# KiCad board SimulTypeUltraFullMag.kicad_pcb (continued)
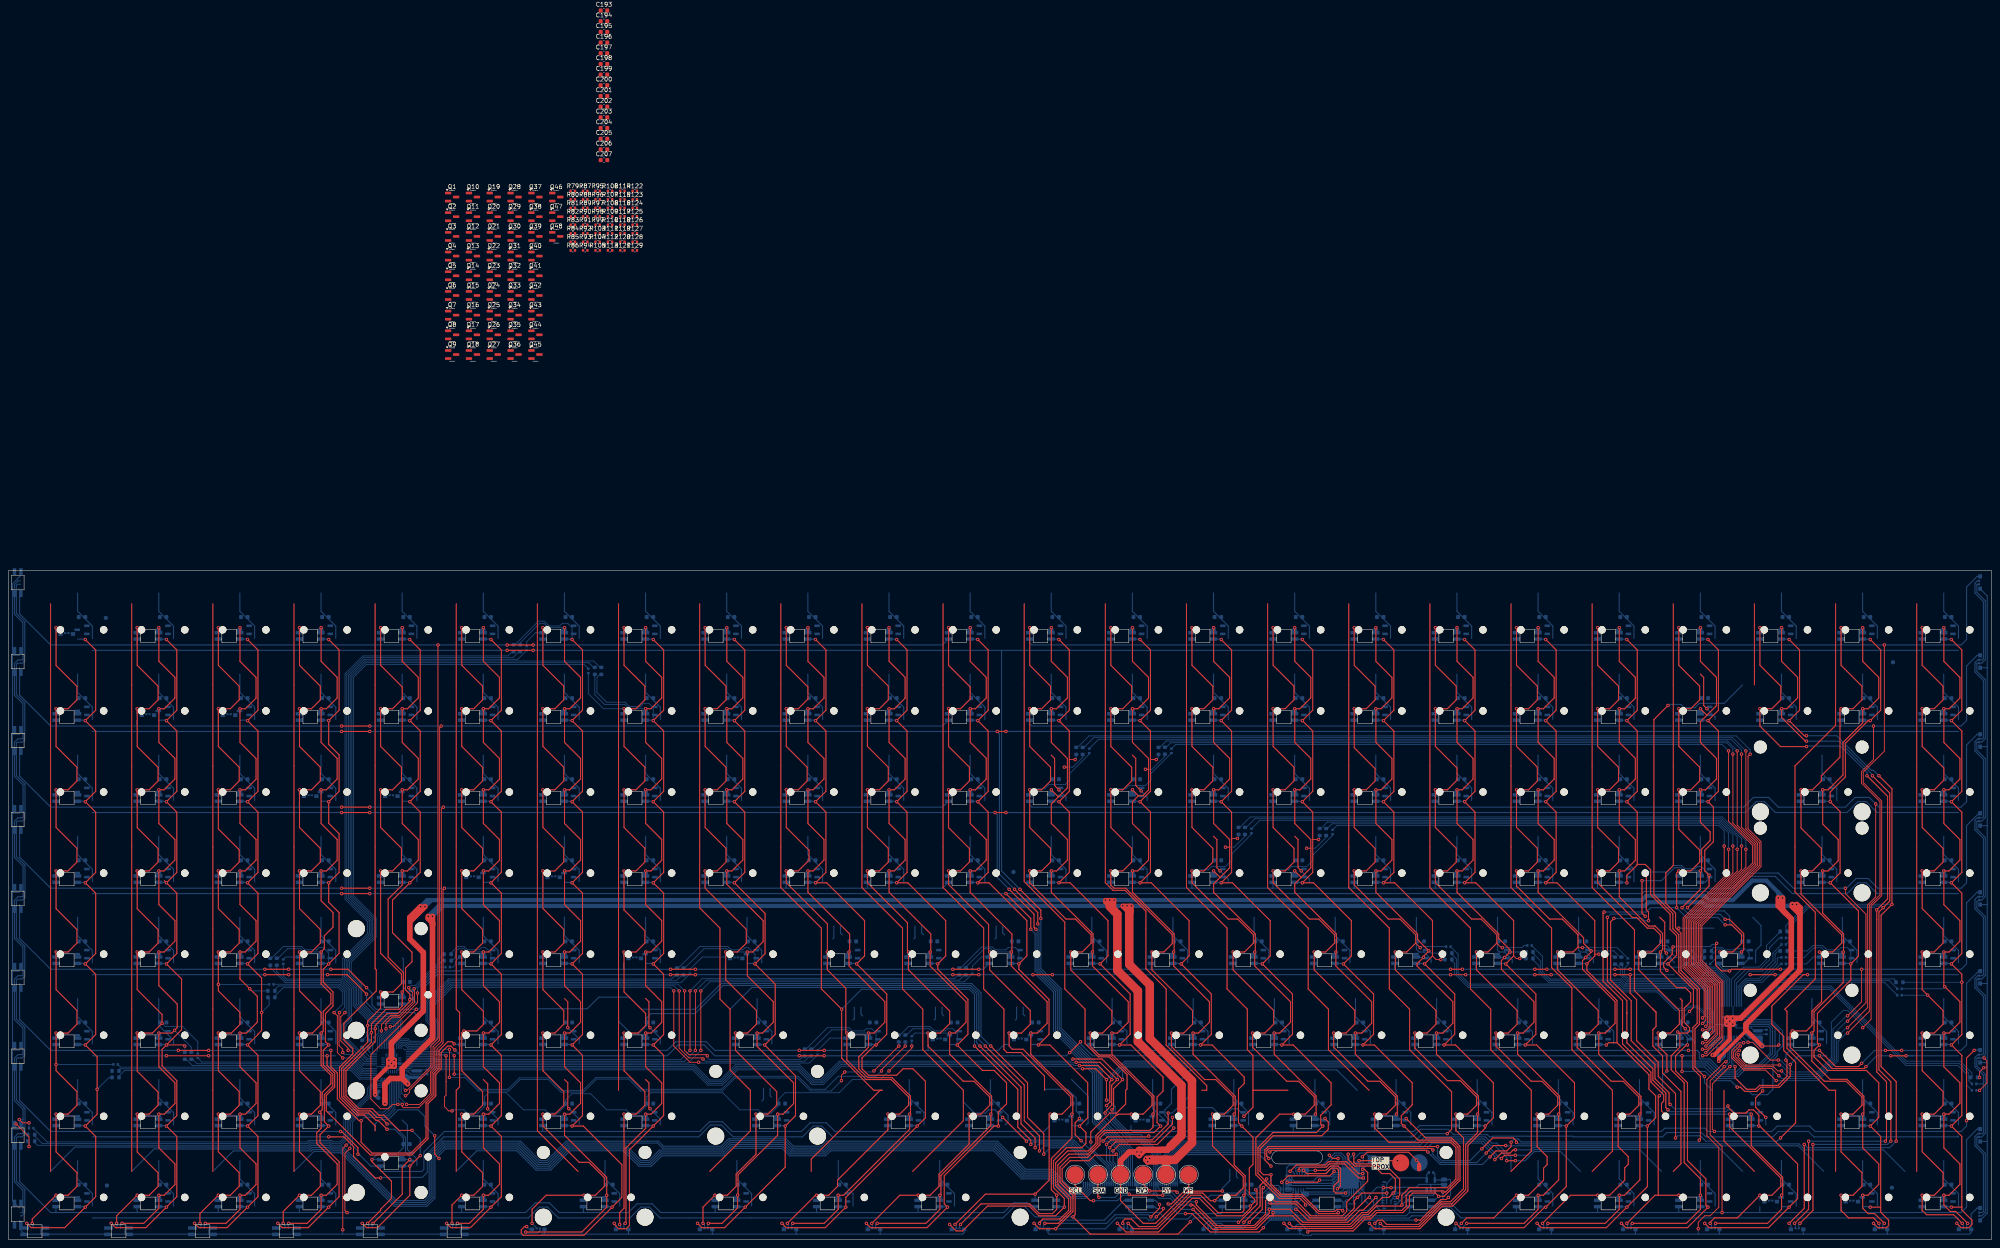
[diagram p0: board, top side]
## Routing (per net, layer and track width the routed paths; a pad name or vN(x,y) marks a point on that pad's centre or on a via; arc(x,y) is an arc through that point) (continued)
/R15c: length 216.8
  Top w0.2: v1(269.48,112.76) 268.11,112.76
  Top w0.25: v1(265.67,140.95) 268.11,138.51 268.11,124.34 v1(265.67,121.9) 268.11,119.46 268.11,105.29 v1(265.67,102.85) 268.11,100.41 268.11,86.24 v1(265.67,83.8) 268.3,83.8 277.19,74.91 277.19,66.62 v1(275.32,64.75) 282.4,57.67 282.4,48.21 v1(279.9,45.7) 282.58,45.7 290.13,38.15 290.13,36.63 288.79,35.29 288.79,27.41 v1(289.55,26.65) 292.19,24.01 292.19,17.66 291.33,16.79 291.33,10.65 292.6,9.38 292.6,8.87 v1(291.58,7.85) 291.58,7.35 289.8,5.57 283.71,5.57 279.64,9.63 277.86,9.63 269.99,1.76 262.37,1.76 v1(260.34,3.79)
  Bottom w0.2: v1(269.48,112.76) 269.99,113.26 269.99,114.28
  Bottom w0.25: 287.7,26.76 289.44,26.76 v1(289.55,26.65) ; v1(265.67,83.8) 265.56,83.91 263.88,83.91 ; v1(265.67,121.9) 265.56,122.01 263.88,122.01 ; 273.41,64.86 275.21,64.86 v1(275.32,64.75) ; 263.88,102.96 265.56,102.96 v1(265.67,102.85) ; v1(260.34,3.79) 260.86,3.27 260.86,2.38 ; v1(265.67,140.95) 265.56,141.06 263.88,141.06 ; v1(279.9,45.7) 279.78,45.81 278.17,45.81 ; v1(291.58,7.85) 290.63,7.85 290.49,7.71 290.08,7.71
/R16c: length 226.1
  Top w0.2: v1(288.53,94.21) 287.16,94.21
  Top w0.25: v1(312.2,6.29) 311.99,6.08 307.58,6.08 303.52,10.14 298.69,10.14 295.26,13.57 ; v1(288.79,4.04) 288.91,4.04 293.13,8.26 293.13,11.39 v1(292.85,11.66) ; 295.26,13.57 293.36,15.47 293.36,21.57 296.91,25.13 307.07,25.13 v1(308.6,26.65) 308.09,27.16 308.09,29.19 310.53,31.63 310.53,36.81 301.63,45.7 v1(298.95,45.7) 301.45,48.21 301.45,57.67 v1(294.37,64.75) 296.24,66.62 296.24,74.91 287.35,83.8 v1(284.72,83.8) 287.16,86.24 287.16,100.41 v1(284.72,102.85) 287.16,105.29 287.16,119.46 v1(284.72,121.9) 287.16,124.34 287.16,138.51 v1(284.72,140.95) ; 295.26,13.57 295.01,13.82 v1(295.39,14.2)
  Bottom w0.2: v1(288.53,94.21) 288.79,94.47 288.79,95.48
  Bottom w0.25: 292.46,64.86 294.26,64.86 v1(294.37,64.75) ; v1(298.95,45.7) 298.83,45.81 297.22,45.81 ; 306.75,26.76 308.49,26.76 v1(308.6,26.65) ; 282.93,122.01 284.61,122.01 v1(284.72,121.9) ; 280.56,2.38 280.56,3.19 281.67,4.3 288.53,4.3 v1(288.79,4.04) ; 282.93,141.06 284.61,141.06 v1(284.72,140.95) ; v1(284.72,102.85) 284.61,102.96 282.93,102.96 ; 282.93,83.91 284.61,83.91 v1(284.72,83.8) ; v1(312.2,6.29) 312.08,6.42 312.08,7.71 ; v1(295.39,14.2) v1(292.85,11.66)
/R17c: length 231.9
  Top w0.2: v1(307.58,93.96) 306.21,93.96
  Top w0.25: v1(299.45,3.79) 300.67,2.58 315.51,2.58 318.25,5.31 319.52,5.31 321.04,6.84 327.14,6.84 328.16,7.85 328.16,10.39 329.17,11.41 336.54,11.41 v1(336.79,11.16) 337.43,11.16 340.35,14.08 340.35,21.7 338.69,23.35 330.95,23.35 v1(327.65,26.65) 327.01,27.29 327.01,29.06 329.58,31.63 329.58,36.81 320.68,45.7 v1(318,45.7) 320.5,48.21 320.5,57.67 v1(313.42,64.75) 315.29,66.62 315.29,74.91 306.4,83.8 v1(303.77,83.8) 306.21,86.24 306.21,100.41 v1(303.77,102.85) 306.21,105.29 306.21,119.46 v1(303.77,121.9) 306.21,124.34 306.21,138.51 v1(303.77,140.95)
  Bottom w0.2: v1(307.58,93.96) 307.84,94.21 307.84,95.23
  Bottom w0.25: v1(336.79,11.16) 336.79,9.58 334.93,7.71 334.08,7.71 ; v1(303.77,140.95) 303.66,141.06 301.98,141.06 ; v1(303.77,121.9) 303.66,122.01 301.98,122.01 ; v1(299.45,3.79) 300.27,2.98 300.27,2.38 ; 301.98,83.91 303.66,83.91 v1(303.77,83.8) ; v1(303.77,102.85) 303.66,102.96 301.98,102.96 ; v1(313.42,64.75) 313.31,64.86 311.51,64.86 ; 316.27,45.81 317.88,45.81 v1(318,45.7) ; 325.8,26.76 327.54,26.76 v1(327.65,26.65)
/R18c: length 201
  Top w0.2: 334.34,66.62 335.19,65.77 v1(336.28,65.77)
  Top w0.25: v1(319.52,3.79) 320.79,2.52 331.33,2.52 336.66,7.85 339.08,7.85 342.63,11.41 342.63,22.08 346.7,26.14 v1(346.7,26.65) 348.63,28.58 348.63,36.81 339.73,45.7 v1(337.05,45.7) 339.55,48.21 339.55,57.67 v1(332.47,64.75) 334.34,66.62 334.34,74.91 325.45,83.8 v1(322.82,83.8) 325.26,86.24 325.26,100.41 v1(322.82,102.85) 325.26,105.29 325.26,119.46 v1(322.82,121.9) 325.26,124.34 325.26,138.51 v1(322.82,140.95)
  Bottom w0.2: 337.55,65.77 v1(336.28,65.77)
  Bottom w0.25: 319.97,2.38 319.97,3.34 v1(319.52,3.79) ; 335.32,45.81 336.93,45.81 v1(337.05,45.7) ; v1(332.47,64.75) 332.36,64.86 330.56,64.86 ; 321.03,102.96 322.71,102.96 v1(322.82,102.85) ; 321.03,122.01 322.71,122.01 v1(322.82,121.9) ; v1(346.7,26.65) 346.59,26.76 344.85,26.76 ; 321.03,141.06 322.71,141.06 v1(322.82,140.95) ; 321.03,83.91 322.71,83.91 v1(322.82,83.8)
/R19c: length 202.9
  Top w0.2: v1(354.83,66.02) 353.99,66.02 353.39,66.62
  Top w0.25: v1(341.87,140.95) 344.31,138.51 344.31,124.34 v1(341.87,121.9) 344.31,119.46 344.31,105.29 v1(341.87,102.85) 344.31,100.41 344.31,86.24 v1(341.87,83.8) 344.5,83.8 353.39,74.91 353.39,66.62 v1(351.52,64.75) 358.6,57.67 358.6,48.21 v1(356.1,45.7) 358.78,45.7 367.68,36.81 367.68,28.58 v1(365.75,26.65) 365.75,12.43 v1(360.92,7.6) 360.67,7.6 355.84,2.77 340.86,2.77 v1(339.84,3.79)
  Bottom w0.2: 356.6,66.02 v1(354.83,66.02)
  Bottom w0.25: v1(341.87,102.85) 341.76,102.96 340.08,102.96 ; 363.9,26.76 365.64,26.76 v1(365.75,26.65) ; v1(341.87,140.95) 341.76,141.06 340.08,141.06 ; v1(356.1,45.7) 355.98,45.81 354.37,45.81 ; 340.08,122.01 341.76,122.01 v1(341.87,121.9) ; v1(341.87,83.8) 341.76,83.91 340.08,83.91 ; v1(351.52,64.75) 351.41,64.86 349.61,64.86 ; v1(360.92,7.6) 360.81,7.71 359.13,7.71 ; 339.68,2.38 339.68,3.63 v1(339.84,3.79)
/R20c: length 203.8
  Top w0.2: v1(373.37,67.04) 372.44,67.04
  Top w0.25: v1(375.15,45.7) 375.69,46.24 377.65,46.24 ; v1(358.89,3.79) 359.91,2.77 375.15,2.77 v1(379.97,7.6) 384.8,12.43 v1(384.8,26.65) 386.73,28.58 386.73,33.76 385.15,35.34 385.15,38.74 377.65,46.24 ; 377.65,46.24 377.65,56.15 370.57,63.23 v1(370.57,64.75) 372.44,66.62 372.44,74.91 363.55,83.8 v1(360.92,83.8) 363.36,86.24 363.36,100.41 v1(360.92,102.85) 363.36,105.29 363.36,119.46 v1(360.92,121.9) 363.36,124.34 363.36,138.51 v1(360.92,140.95)
  Bottom w0.2: 377.18,66.02 376.16,67.04 v1(373.37,67.04)
  Bottom w0.25: v1(358.89,3.79) 359.38,3.3 359.38,2.38 ; v1(360.92,83.8) 360.81,83.91 359.13,83.91 ; v1(370.57,64.75) 370.46,64.86 368.66,64.86 ; 359.13,141.06 360.81,141.06 v1(360.92,140.95) ; 359.13,122.01 360.81,122.01 v1(360.92,121.9) ; 373.42,45.81 375.03,45.81 v1(375.15,45.7) ; 359.13,102.96 360.81,102.96 v1(360.92,102.85) ; v1(379.97,7.6) 379.86,7.71 378.18,7.71 ; v1(384.8,26.65) 384.69,26.76 382.95,26.76
/R21c: length 200.7
  Top w0.25: v1(378.7,3.79) 379.72,2.77 394.2,2.77 v1(399.02,7.6) 398.51,8.11 398.51,14.25 394.2,18.57 394.2,36.81 391.4,39.6 391.4,43.16 393.94,45.7 v1(394.2,45.7) ; v1(394.68,53.59) 395.59,54.5 395.59,58.78 v1(389.62,64.75) 391.66,66.78 391.66,71.35 390.13,72.88 390.13,76.43 385.56,81.01 385.56,86.85 384.29,88.12 382.41,88.12 ; v1(379.97,140.95) 382.41,138.51 382.41,124.34 v1(379.97,121.9) 382.41,119.46 382.41,105.29 v1(379.97,102.85) 382.41,100.41 382.41,88.12 ; v1(379.97,83.8) 379.97,85.58 382.41,88.02 382.41,88.12
  Bottom w0.2: v1(389.62,64.75) 390.39,63.99 392.67,63.99 393.43,64.75 394.19,64.75
  Bottom w0.25: v1(389.62,64.75) 389.51,64.86 387.71,64.86 ; v1(379.97,140.95) 379.86,141.06 378.18,141.06 ; 378.18,83.91 379.86,83.91 v1(379.97,83.8) ; v1(394.68,53.59) 392.67,51.58 392.67,49 394.2,47.48 v1(394.2,45.7) 394.08,45.81 392.47,45.81 ; v1(379.97,102.85) 379.86,102.96 378.18,102.96 ; 397.23,7.71 398.91,7.71 v1(399.02,7.6) ; 378.18,122.01 379.86,122.01 v1(379.97,121.9) ; v1(378.7,3.79) 379.08,3.41 379.08,2.38
/R22c: length 277
  Top w0.25: v1(403.71,31.38) 403.71,31.11 405.12,29.7 407.91,29.7 408.67,30.46 409.69,30.46 410.96,29.19 v1(410.96,26.65) 411.17,26.65 420.06,17.76 420.06,9.59 v1(418.07,7.6) 413.25,2.77 399.28,2.77 v1(398.26,3.79) ; v1(376.92,75.42) 376.16,74.66 376.16,60.94 380.99,56.11 380.99,46.72 386.58,41.13 386.58,37.76 389.88,34.46 389.88,31.98 v1(390.13,31.73) ; v1(384.54,86.34) 384.54,77.45 385.05,76.94 v1(385.05,74.91) ; v1(394.2,77.96) 399.28,83.04 v1(399.28,85.58) 398.26,86.59 398.26,91.42 400.29,93.45 400.29,101.58 v1(399.02,102.85) 401.46,105.29 401.46,119.46 v1(399.02,121.9) 401.46,124.34 401.46,138.51 v1(399.02,140.95)
  Bottom w0.2: 399.53,67.8 400.38,68.64 402.3,68.64 402.89,68.05 405.12,68.05 405.37,68.31 407.66,68.31 408.67,67.29 408.67,66.02
  Bottom w0.25: 409.14,26.76 410.85,26.76 v1(410.96,26.65) ; v1(384.54,86.34) 389.37,86.34 390.89,87.86 392.8,87.86 393.56,87.1 395.97,87.1 396.48,87.61 397.5,87.61 399.28,85.83 v1(399.28,85.58) 399.28,84.82 398.37,83.91 397.23,83.91 ; v1(394.2,77.96) 394.96,77.2 402.83,77.2 404.1,75.93 404.1,74.4 407.4,71.1 407.4,68.31 ; v1(398.26,3.79) 398.79,3.26 398.79,2.38 ; 397.23,141.06 398.91,141.06 v1(399.02,140.95) ; v1(399.02,121.9) 398.91,122.01 397.23,122.01 ; v1(418.07,7.6) 417.96,7.71 416.28,7.71 ; v1(390.13,31.73) 391.15,30.71 403.04,30.71 v1(403.71,31.38) ; v1(385.05,74.91) 384.04,74.91 383.53,75.42 v1(376.92,75.42) ; 408.67,66.02 407.51,64.86 406.76,64.86 ; 397.23,102.96 398.91,102.96 v1(399.02,102.85)
/R23c: length 213.6
  Top w0.25: v1(418.07,140.95) 420.51,138.51 420.51,124.34 v1(418.07,121.9) 421.63,118.34 v1(422.14,118.34) ; v1(421.63,22.33) 421.63,7.35 v1(418.07,3.79) ; v1(439.15,108.95) 442.2,105.9 v1(442.2,78.72) 439.66,76.18 439.66,40.62 443.22,37.06 v1(443.22,23.09)
  Bottom w0.2: 432.55,78.76 422.31,78.76 417.31,73.76 417.31,72.37 ; 432.55,78.76 442.16,78.76 v1(442.2,78.72) ; 432.55,78.76 432.8,78.76
  Bottom w0.25: v1(439.15,108.95) 437.88,110.22 437.38,110.22 436.88,110.72 436.87,110.72 429.25,118.34 v1(422.14,118.34) ; v1(443.22,23.09) 441.69,21.57 422.39,21.57 v1(421.63,22.33) ; v1(418.07,3.79) 418.49,3.37 418.49,2.38 ; v1(418.07,140.95) 417.96,141.06 416.28,141.06 ; v1(418.07,121.9) 417.96,122.01 416.28,122.01
/R24c: length 210.5
  Top w0.25: v1(437.12,7.6) 439.56,7.6 ; 439.56,7.6 439.56,6.43 441.44,4.55 441.44,3.28 440.93,2.77 438.9,2.77 v1(437.88,3.79) ; 439.56,7.6 439.56,24.21 v1(437.12,26.65) 439.11,28.64 439.11,36.81 436.2,39.72 427.1,39.72 423.91,42.91 423.91,44.43 v1(425.18,45.7) 424.71,46.18 424.71,53.12 432.55,60.97 v1(432.55,64.75) 434.35,66.55 434.35,77.17 v1(427.72,83.8) 430.04,86.12 430.04,100.53 v1(427.72,102.85) 427.72,105.14 431.28,108.69 431.28,116.57 436.61,121.9 v1(437.12,121.9) 439.56,124.34 439.56,138.51 v1(437.12,140.95)
  Bottom w0.2: v1(432.55,64.75) 432.55,67.8 431.79,68.56 430.26,68.56 429.76,68.05 426.96,68.05 425.95,69.07 423.66,69.07 422.39,67.8 417.31,67.8
  Bottom w0.25: 425.81,102.96 427.61,102.96 v1(427.72,102.85) ; v1(437.88,3.79) 438.2,3.48 438.2,2.38 ; v1(425.18,45.7) 425.07,45.81 423.43,45.81 ; v1(437.12,140.95) 437.01,141.06 435.33,141.06 ; v1(432.55,64.75) 432.44,64.86 430.57,64.86 ; v1(437.12,26.65) 437.01,26.76 435.33,26.76 ; v1(437.12,7.6) 437.01,7.71 435.33,7.71 ; v1(437.12,121.9) 437.01,122.01 435.33,122.01 ; v1(427.72,83.8) 427.61,83.91 425.81,83.91
/R25c: length 188.7
  Top w0.25: 458.61,7.6 458.61,24.21 v1(456.17,26.65) 458.61,29.09 458.61,43.26 v1(456.17,45.7) 458.61,48.14 v1(458.61,60.43) 458.61,62.31 v1(456.17,64.75) 458.61,67.19 458.61,81.36 v1(456.17,83.8) 458.61,86.24 458.61,100.41 v1(456.17,102.85) 458.61,105.29 458.61,119.46 v1(456.17,121.9) 458.61,124.34 458.61,138.51 v1(456.17,140.95) ; 458.61,7.6 v1(456.17,7.6) ; 458.61,7.6 458.61,6.94 461,4.55 461,3.54 460.24,2.77 458.46,2.77 v1(457.44,3.79)
  Bottom w0.2: 444.49,60.43 v1(458.61,60.43)
  Bottom w0.25: 454.38,7.71 456.06,7.71 v1(456.17,7.6) ; 454.38,45.81 456.06,45.81 v1(456.17,45.7) ; 454.38,141.06 456.06,141.06 v1(456.17,140.95) ; v1(456.17,121.9) 456.06,122.01 454.38,122.01 ; 454.38,83.91 456.06,83.91 v1(456.17,83.8) ; 454.38,26.76 456.06,26.76 v1(456.17,26.65) ; 454.38,64.86 456.06,64.86 v1(456.17,64.75) ; v1(456.17,102.85) 456.06,102.96 454.38,102.96 ; v1(457.44,3.79) 457.9,3.33 457.9,2.38
/R26c: length 165.8
  Top w0.2: v1(463.79,40.37) 462.78,39.35 v1(462.78,38.08)
  Bottom w0.2: 462.01,38.08 v1(462.78,38.08) ; v1(463.79,40.37) 464.58,40.37
  Bottom w0.25: 464.58,115.8 464.58,97.26 ; 464.58,115.8 464.56,115.78 462.92,115.78 ; 464.58,115.8 464.58,134.35 ; 464.58,97.26 464.55,97.23 462.92,97.23 ; 464.58,97.26 464.58,78.72 ; 462.92,60.13 464.53,60.13 464.58,60.18 ; 464.58,78.72 464.58,60.18 ; 464.58,78.72 464.54,78.68 462.92,78.68 ; 464.58,60.18 464.58,41.64 ; 464.58,23.09 464.58,6.15 462.92,4.48 ; 464.58,23.09 464.58,41.64 ; 464.58,23.09 464.52,23.03 462.92,23.03 ; 464.58,41.64 464.53,41.58 462.92,41.58 ; LED222.1 464.58,151.21 464.58,134.35 ; 464.58,134.35 464.56,134.33 462.92,134.33
/SCL: length 511.9
  Top w0.25: v1(257.8,31.48) 258.56,32.24 258.56,37.06 v1(259.07,37.57) 255.77,40.88 v1(251.45,40.88) ; v1(315.81,20.05) 315.86,20.01 315.86,18.22 316.32,17.76 321.16,17.76 322.43,16.48 324.35,16.48 326.63,14.2 326.63,10.39 v1(326.12,9.89) ; v1(277.61,8.11) 278.12,8.11 283.39,2.83 292.65,2.83 296.01,6.19 v1(296.01,7.09) 300.85,7.09 303.9,4.04 314.44,4.04 317.27,6.88 318.03,6.88 v1(321.04,9.89) ; TP3.1 250.43,12.68 253.99,9.12 v1(254.75,9.12) ; v1(271.01,10.39) 263.39,10.39 v1(263.13,10.65)
  Bottom w0.2: 414.17,48.75 414.17,49.68 413.36,50.49 407.55,50.49 ; v1(251.45,40.88) 250.18,40.88 249.96,41.09 195.39,41.09 191.12,36.82 188.82,36.82 185.38,40.26 171.02,40.26 167.42,36.66 164.36,36.66 160.76,40.26 99.68,40.26 98.96,40.98 94.64,40.98 94.24,40.58 93.35,40.58
  Bottom w0.25: v1(277.61,8.11) 275.07,8.11 272.78,10.39 v1(271.01,10.39) 269.99,10.39 269.39,10.99 J1.35 269.39,19.88 265.61,23.66 263.33,23.66 258.81,28.17 258.81,29.44 257.8,30.46 v1(257.8,31.48) ; v1(315.81,20.05) 314.8,19.04 314.8,16.4 ; v1(263.13,10.65) 262.88,10.39 261.61,10.39 260.34,9.12 v1(254.75,9.12) ; 326.7,9.06 326.12,9.63 v1(326.12,9.89) ; 326.7,9.06 326.03,8.39 325.59,8.39 325.59,7.09 325.34,6.84 322.06,6.84 321.3,7.6 321.3,9.63 v1(321.04,9.89) ; 326.7,9.06 328.03,10.39 334.51,10.39 334.88,10.77 U3.1 ; v1(259.07,37.57) 259.07,38.21 262.3,41.44 398.96,41.44 401.56,38.84 405.88,38.84 407.4,40.37 410.83,40.37 414.17,43.71 414.17,49 ; v1(296.01,7.09) 296.15,7.09 296.67,7.61 297.43,7.61
/SDA: length 502.9
  Top w0.25: v1(257.47,29.7) 257.47,30.01 259.01,31.55 259.01,36.24 v1(260.34,37.57) 256.27,41.64 v1(250.69,41.64) ; 296.15,5.57 296.91,5.57 v1(296.91,6.29) ; 296.15,5.57 292.97,2.38 282.79,2.38 v1(278.12,7.06) ; 296.15,5.57 301.49,5.57 303.52,3.54 314.95,3.54 317.74,6.33 319.01,6.33 322.57,9.89 324.09,9.89 v1(325.11,10.9) 325.12,10.9 325.62,11.4 325.62,14.2 324.35,15.47 322.43,15.47 320.65,17.25 316.08,17.25 314.55,18.78 v1(314.55,20.05) ; TP4.1 255.77,10.14 v1(256.02,9.89)
  Bottom w0.2: 93.35,40.98 94.08,40.98 94.48,41.38 99.12,41.38 99.85,40.66 160.93,40.66 164.52,37.06 167.26,37.06 170.85,40.66 185.55,40.66 188.99,37.22 190.96,37.22 195.22,41.49 250.54,41.49 v1(250.69,41.64) ; 414.77,49 414.77,49.65 413.53,50.89 407.55,50.89
  Bottom w0.25: v1(257.47,29.7) 257.47,28.76 263.02,23.21 265.42,23.21 268.89,19.74 J1.34 268.89,10.86 ; v1(278.12,7.06) 275.36,7.06 272.75,9.67 270.08,9.67 268.89,10.86 ; 268.89,10.86 268.72,10.69 266.14,10.69 265.16,11.66 261.61,11.66 259.83,9.89 v1(256.02,9.89) ; 324.59,8.39 324.59,9.17 325.11,9.69 v1(325.11,10.9) 327.9,10.9 328.17,11.17 332.98,11.17 U3.3 ; 297.43,7.11 296.91,6.59 v1(296.91,6.29) ; v1(260.34,37.57) 260.34,38.84 262.49,40.99 398.65,40.99 401.31,38.33 406.13,38.33 407.66,39.86 411.21,39.86 414.77,43.41 414.77,49 ; v1(314.55,20.05) 314.3,19.8 314.3,16.4
/SHIELD: length 32.9
  Top w0.25: v1(310.12,19.79) 310.88,19.03 v1(312.15,19.03)
  Bottom w0.25: 304.93,14.86 304.93,15.11 305.29,15.47 309.23,15.47 312.15,18.4 v1(312.15,19.03) ; 300.13,14.86 300.13,16.91 300.72,17.51 308.57,17.51 310.5,19.44 310.53,19.44 ; 310.53,19.44 310.47,19.44 v1(310.12,19.79) ; 310.53,19.44 311.39,20.3 312.92,20.3 313.8,19.41 313.8,16.4
/SLDL1: length 8.5
  Bottom w0.25: 304.63,11.99 311.07,11.99 312.29,13.21 312.61,13.21
/SLDL2: length 16.5
  Top w0.25: v1(312.02,11.91) 312.72,12.61 312.72,16.69 312.15,17.25 310.38,17.25 309.36,16.24 v1(306.82,16.24)
  Bottom w0.25: v1(306.82,16.24) 305.3,16.24 304.33,15.27 304.33,14.86 ; v1(312.02,11.91) 312.63,12.52 313.3,12.52
/SLDL3: length 11.3
  Bottom w0.25: 313.8,12.52 313.8,12.06 312.9,11.16 304.28,11.16 304.03,11.41 304.03,11.99
/SLDL4: length 20.9
  Top w0.25: v1(313.93,10.9) 311.65,10.9 311.14,11.41 311.14,12.57 312.27,13.7 312.27,16.31 311.83,16.74 310.63,16.74 309.36,15.47 304.81,15.47 v1(304.04,16.24)
  Bottom w0.25: 314.3,12.52 314.3,11.27 v1(313.93,10.9) ; v1(304.04,16.24) 303.73,15.93 303.73,14.86
/SLDL5: length 14.7
  Bottom w0.25: 303.43,11.99 303.43,11.25 304.03,10.65 312.92,10.65 313.39,10.18 314.48,10.18 314.8,10.5 314.8,12.52
/SLDR1: length 13.2
  Bottom w0.25: 312.61,13.71 312.15,13.71 311.12,12.68 300.55,12.68 300.43,12.56 300.43,11.99
/SLDR2: length 13.4
  Bottom w0.25: 300.73,14.86 300.73,14.18 301.71,13.19 311,13.19 312.02,14.21 312.61,14.21
/SLDR3: length 16.9
  Top w0.25: v1(300.22,13.44) 307.33,13.44 v1(307.84,13.94)
  Bottom w0.25: v1(300.22,13.44) 299.95,13.18 299.95,11.34 301.03,11.34 301.03,11.99 ; v1(307.84,13.94) 307.84,13.95 310.89,13.95 311.65,14.71 312.61,14.71
/SLDR4: length 12.8
  Bottom w0.25: 312.61,15.21 311.13,15.21 310.63,14.71 307.33,14.71 306.3,13.69 301.85,13.69 301.33,14.21 301.33,14.86
/SLDR5: length 21
  Top w0.25: v1(298.95,13.44) 300.47,14.97 310.23,14.97 v1(311.25,15.98)
  Bottom w0.25: 301.63,11.99 301.63,11.05 301.23,10.65 299.71,10.65 299.3,11.06 299.3,13.09 v1(298.95,13.44) ; v1(311.25,15.98) 311.52,15.71 312.61,15.71
/TOPL: length 22.8
  Top w0.25: v1(300.9,16.02) 302.39,17.51 309.11,17.51 309.87,18.27 314.19,18.27 316.98,15.47 v1(317.95,15.47)
  Bottom w0.25: 301.93,14.86 301.93,15.44 301.35,16.02 v1(300.9,16.02) ; v1(317.95,15.47) 317.19,14.71 316.49,14.71
/TOPR: length 20.5
  Top w0.25: v1(303.01,16.24) 303.01,16.75 303.26,17 309.36,17 310.12,17.76 313.68,17.76 316.98,14.46 v1(318.11,14.46)
  Bottom w0.25: 316.49,14.21 317.86,14.21 v1(318.11,14.46) ; 303.13,14.86 303.13,16.13 v1(303.01,16.24)
/WP: length 131
  Top w0.25: v1(338.06,9.89) 337.55,9.38 336.28,9.38 331.45,4.55 v1(330.44,4.55) ; v1(294.63,2.77) 293.61,1.76 282.18,1.76 277.86,6.08 v1(276.34,6.08) ; v1(272.28,8.36) 273.02,8.36 277.1,12.44 TP5.1
  Bottom w0.2: 407.55,53.69 408.05,53.69 415.18,60.82 441.56,60.82 R51.2
  Bottom w0.25: v1(330.44,4.55) 296.15,4.55 294.88,3.28 294.88,3.03 v1(294.63,2.77) ; 334.51,15.74 334.88,15.37 334.88,13.96 336.9,13.96 JP1.1 338.41,14.11 338.57,13.95 338.57,10.39 v1(338.06,9.89) ; v1(272.28,8.36) 274.56,6.08 v1(276.34,6.08)
COL1: length 341.8
  Top w0.25: 448.02,149.35 448.02,16 ; v1(354.06,22.84) 354.06,23.09 353.3,23.86 348.48,23.86 v1(345.94,21.32) ; v1(296.41,17.25) 294.98,18.68 294.98,21.04 295.77,21.84 335.51,21.84 v1(335.52,21.82)
  Bottom w0.2: 398.51,66.27 397.75,65.51 397.75,64.24 398.41,63.59 401.14,63.59 403.7,61.03 403.7,54.74
  Bottom w0.25: v1(296.41,17.25) 293.71,19.94 275.87,19.94 274.39,18.47 J1.45 ; 445.25,16 440.19,21.06 421.77,21.06 420.37,22.47 354.44,22.47 v1(354.06,22.84) ; v1(345.94,21.32) 343.14,18.52 336.54,18.52 335.52,19.54 v1(335.52,21.82)
COL2: length 332.4
  Top w0.25: v1(334.44,21.02) 334.06,21.39 295.96,21.39 295.43,20.86 295.43,19.5 v1(295.9,19.03) ; 428.97,16 428.97,35.05 427.45,35.05 417.56,44.94 417.56,53.61 417.07,54.1 424.21,61.25 424.21,76.9 419.45,81.66 419.45,111.25 428.97,120.78 428.97,149.35 ; v1(346.95,20.3) 348.73,22.08 v1(351.52,22.08)
  Bottom w0.2: 402.5,54.74 402.5,60.53 400.64,62.39 397.91,62.39 396.44,63.85 396.44,65.04 395.21,66.27
  Bottom w0.25: v1(295.9,19.03) 295.9,19.28 294.79,20.39 275.68,20.39 273.89,18.61 J1.44 ; v1(346.95,20.3) 344.72,18.07 336.35,18.07 334.44,19.99 v1(334.44,21.02) ; 426.2,16 420.18,22.02 351.59,22.02 v1(351.52,22.08)
COL3: length 315.4
  Top w0.25: v1(396.99,23.35) 397.24,23.6 397.24,38.33 395.47,40.11 395.47,49.76 396.48,50.78 396.48,58.65 392.16,62.97 392.16,71.61 390.77,73.01 390.77,76.56 386.32,81.01 386.32,122.15 v1(389.62,125.46) ; 332.08,20.94 331.97,20.94 ; 331.97,20.94 332.85,20.94 v1(333.24,20.55) ; 331.97,20.94 296.53,20.94 v1(296.15,20.55) ; 409.92,149.35 409.92,130.3 ; v1(352.79,22.84) 352.79,21.82 351.78,20.81 349.24,20.81 v1(347.84,19.41)
  Bottom w0.2: 379.32,61.81 379.32,61.82 ; 379.32,61.81 378.96,62.18 378.96,64.75 378.7,65 ; 379.32,61.81 380.17,60.96 400.37,60.96 401.3,60.04 401.3,54.74
  Bottom w0.25: v1(352.79,22.84) 353.56,23.6 354.48,23.6 355.17,22.92 396.99,22.92 v1(396.99,23.35) ; v1(347.84,19.41) 346.05,17.62 336.16,17.62 333.99,19.8 333.99,19.81 v1(333.24,20.55) ; 407.15,130.3 402.81,125.96 396.99,125.96 395.97,124.95 393.43,124.95 392.67,125.71 389.88,125.71 v1(389.62,125.46) ; v1(296.15,20.55) 295.86,20.84 275.49,20.84 273.39,18.74 J1.43
COL4: length 351.7
  Top w0.25: 391.85,72.82 391.4,73.26 391.4,76.69 389.12,78.97 389.12,86.11 390.87,87.86 390.87,149.35 ; 391.85,72.82 392.67,71.99 392.67,63.23 396.99,58.91 396.99,50.53 395.97,49.51 395.97,40.51 v1(398.19,38.3) ; 391.85,72.82 v1(392.16,73.13) ; 402.78,35.05 402.78,23.15 409.92,16 ; v1(353.81,21.06) 353.3,21.06 352.54,20.3 350.51,20.3 v1(348.98,18.78)
  Bottom w0.2: 400.65,53.29 399.99,53.29 399.13,54.15 399.13,58.74 398.11,59.76 379.97,59.76 ; 379.97,59.76 379.55,59.76 378.52,60.79 361.77,60.79 359.76,62.81 359.76,65.4 357.62,67.54 ; 379.97,59.76 379.72,59.76
  Bottom w0.25: v1(348.98,18.78) 348.98,19.54 345.88,22.64 334.25,22.64 332.9,21.29 275.31,21.29 272.89,18.88 J1.42 ; v1(398.19,38.3) 398.19,36.87 400.01,35.05 ; 407.15,16 401.58,21.57 357.87,21.57 357.37,21.06 v1(353.81,21.06) ; v1(392.16,73.13) 392.18,73.15 400.4,73.15
COL5: length 343.2
  Top w0.25: v1(350.51,19.03) 351.27,19.79 v1(353.81,19.79) ; 371.82,149.35 371.82,82.68 381.75,72.75 381.75,58.46 386.11,54.1 ; 386.11,54.1 386.83,53.38 ; 386.11,54.1 386.83,53.38 386.83,50.02 386.07,49.26 386.07,45.45 388.35,43.16 388.35,39.1 392.67,34.78 392.67,17.8 390.87,16
  Bottom w0.2: 338.57,67.29 339.95,65.91 339.95,62.55 342.91,59.59 378.02,59.59 379.05,58.56 387.21,58.56 391.43,54.34 393.43,54.34 393.94,54.84 396.74,54.84 399.49,52.09 400.65,52.09
  Bottom w0.25: J1.41 272.39,19.01 275.12,21.74 332.22,21.74 333.57,23.09 346.19,23.09 350.25,19.03 v1(350.51,19.03) ; v1(353.81,19.79) 356.73,19.79 358.06,21.12 382.98,21.12 388.1,16
COL6: length 405.9
  Top w0.2: v1(403.85,91.67) 403.85,85.65 393.58,75.38 393.58,63.9 398.51,58.97 398.51,51.54 v1(397.75,50.78)
  Top w0.25: v1(351.78,18.52) v1(353.81,18.52) ; 371.82,16 376.59,20.76 376.59,35.05 367.06,44.58 367.06,59.12 362.3,63.88 362.3,73.15 352.77,82.68 352.77,149.35
  Bottom w0.2: v1(403.85,91.67) 403.85,95.54 401.73,97.66 310.77,97.66 309.36,96.25 ; 400.65,50.89 397.86,50.89 v1(397.75,50.78)
  Bottom w0.25: 369.05,16 364.38,20.67 358.24,20.67 356.1,18.52 v1(353.81,18.52) ; v1(351.78,18.52) 351.78,19.28 348.98,22.08 347.97,22.08 346.44,23.6 332.87,23.6 331.46,22.19 274.93,22.19 271.89,19.15 J1.40
COL7: length 415.3
  Top w0.2: v1(398.51,48.49) 399.71,49.69 399.71,59.46 394.78,64.4 394.78,74.88 406.9,87 v1(406.9,92.44)
  Top w0.25: 333.72,149.35 333.72,82.68 343.25,73.15 343.25,58.86 348.01,54.1 348.01,44.58 357.54,35.05 357.54,20.76 352.77,16
  Bottom w0.2: 290.31,96.5 292.67,98.86 402.22,98.86 406.9,94.19 v1(406.9,92.44) ; v1(398.51,48.49) 398.82,48.49 399.62,49.29 400.65,49.29
  Bottom w0.25: J1.39 271.39,19.29 274.75,22.64 331.01,22.64 332.47,24.11 346.76,24.11 348.22,22.64 349.43,22.64 352.77,19.3 352.77,16
COL8: length 430
  Top w0.2: v1(404.86,114.03) 404.86,97.79 409.87,92.79 409.87,88.27 395.98,74.39 395.98,64.89 400.91,59.96 400.91,48.38 398.74,46.21 v1(397.75,46.21)
  Top w0.25: 314.67,149.35 314.67,82.68 324.2,73.15 324.2,58.86 328.96,54.1 328.96,44.58 338.82,34.72 338.82,25.89 v1(337.81,24.87)
  Bottom w0.2: v1(404.86,114.03) 404.86,115.3 403.45,116.71 272.89,116.71 271.51,115.34 ; v1(397.75,46.21) 398.77,46.21 400.1,47.54 401,47.54 401.3,47.84
  Bottom w0.25: J1.38 270.89,19.42 274.56,23.09 330.19,23.09 331.97,24.87 v1(337.81,24.87)
COL9: length 452.8
  Top w0.2: v1(407.91,114.79) 407.91,96.44 411.07,93.29 411.07,87.78 397.18,73.89 397.18,65.39 402.11,60.46 402.11,47.49 398.54,43.92 v1(398.51,43.92)
  Top w0.25: 295.62,149.35 295.62,82.68 305.15,73.15 305.15,58.86 309.91,54.1 309.91,44.58 319.44,35.05 ; v1(273.6,26.2) 269.74,22.33 260.85,22.33 v1(259.32,20.81)
  Bottom w0.2: 252.21,115.3 254.82,117.91 404.79,117.91 v1(407.91,114.79) ; v1(398.51,43.92) 398.77,43.92 399.78,44.94 399.78,45.49 400.63,46.34 401.83,46.34 402.5,47.01 402.5,47.84
  Bottom w0.25: v1(259.32,20.81) 259.32,18.27 259.89,17.71 J1.16 ; 316.66,35.05 311.85,39.86 277.61,39.86 273.04,35.29 273.04,31.98 271.51,30.46 271.51,29.19 273.04,27.67 273.04,26.76 v1(273.6,26.2)
COL10: length 331.4
  Top w0.2: v1(161.28,58.4) v1(161.28,44.43)
  Top w0.25: v1(258.56,21.57) 259.93,22.94 269.07,22.94 273.29,27.16 v1(273.29,28.68) ; 300.39,35.05 292.2,35.05 292.18,35.03 ; 292.18,35.03 292.18,31.06 v1(290.06,28.94) ; 292.18,35.03 292.18,43.26 290.86,44.58 290.86,54.1 286.1,58.86 286.1,73.15 276.57,82.68 276.57,149.35
  Bottom w0.2: 93.35,42.58 99.62,42.58 100.35,41.86 158.71,41.86 v1(161.28,44.43) ; 224.78,62.46 223.26,60.94 163.83,60.94 161.29,58.4 v1(161.28,58.4)
  Bottom w0.25: v1(258.56,21.57) 258.56,18.4 259.39,17.57 J1.15 ; v1(290.06,28.94) 290.06,29.19 288.53,30.71 287.26,30.71 286.25,29.7 283.96,29.7 282.69,30.97 275.58,30.97 v1(273.29,28.68)